# KiCad board 2000ATX.kicad_pcb (continued)
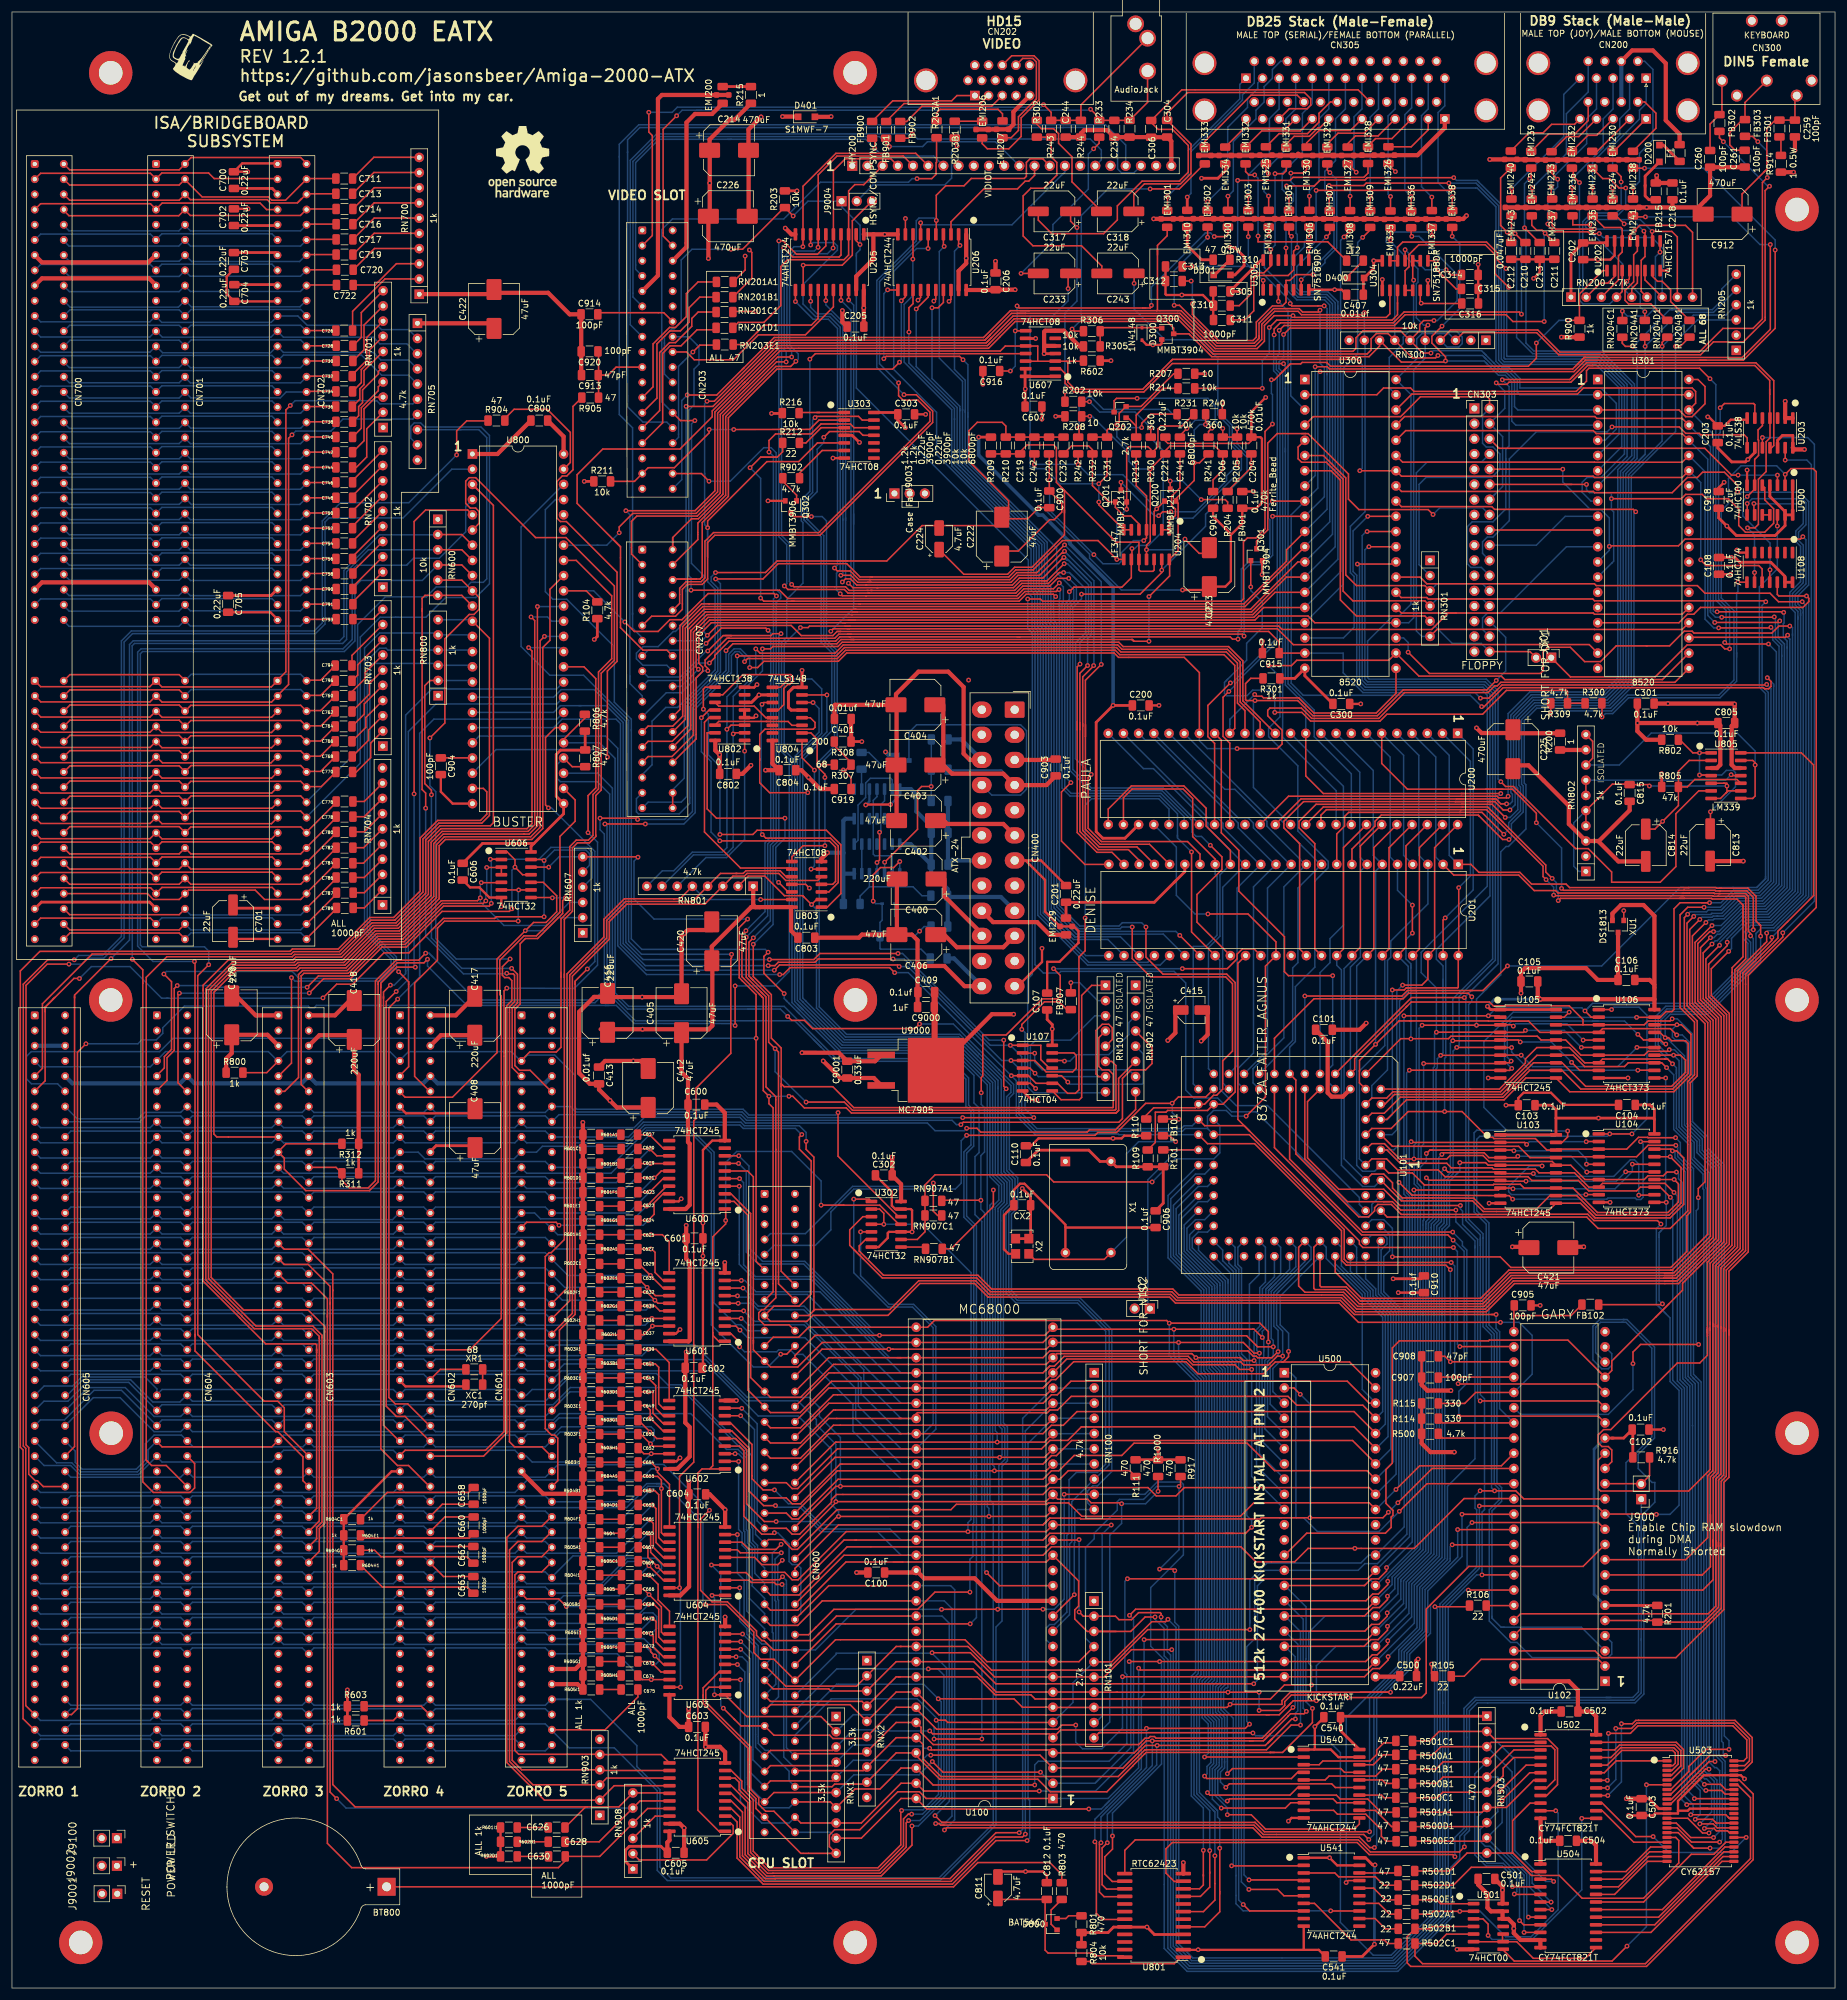
[diagram p0: board, top side]
## Routing (per net, layer and track width the routed paths; a pad name or vN(x,y) marks a point on that pad's centre or on a via; arc(x,y) is an arc through that point) (continued)
_OWN: length 274.6
  Top w0.25: CN603.7 42.6,152.96 R800.2 ; 91.8,168.94 91.8,169.74 ; 91.8,168.94 91.8,178.65 93.26,180.12 93.26,190.73 94.34,191.81 96.36,191.81 97.15,192.6 97.15,199.45 98.06,200.36 98.06,219.91 100.27,222.11 100.27,232.63 94.35,238.56 U800.41 ; 91.8,168.94 91.8,157.2 91.01,156.41 86.56,156.41 85.06,154.91 ; v1(138.12,146.28) 138.12,138.99 148.21,128.89 U302.12
  Bottom w0.25: 85.06,154.91 83.5,156.47 66.3,156.47 64.74,154.91 63.18,156.47 45.98,156.47 44.42,154.91 42.86,156.47 25.66,156.47 23.12,153.93 4.76,153.93 3.78,154.91 ; CN601.7 86.17,155.89 90.74,155.89 94.1,152.54 94.1,147.2 94.46,146.84 122.25,146.84 123.2,145.89 137.74,145.89 138.12,146.26
_PACK: length 204.2
  Top w0.25: 140.98,228.59 139.8,228.59 ; 140.98,228.59 116.66,228.59 114.38,226.32 114.38,220.74 v1(114.76,220.37) ; 140.98,228.59 207.82,228.59 208.49,229.27 216.69,229.27 217.82,228.14 U300.24 ; RN300.5 236.27,277.42 v1(236.73,277.88) ; EMI335.1 v1(230.48,292.1)
  Bottom w0.25: v1(236.73,277.88) 236.01,277.88 234.79,279.1 234.79,284.77 235.07,285.05 235.07,287.25 230.48,291.84 v1(230.48,292.1) ; RN300.5 236.27,272.34 234.35,270.42 234.35,228.96 233.53,228.14 U300.24 ; CN207.20 111.89,217.51 v1(114.76,220.37)
_RAS0: length 117.6
  Top w0.25: 215.8,17.78 U541.4 215.86,18.07 v1(206.83,18.07)
  Bottom w0.25: v1(206.83,18.07) 205.99,18.9 205.99,104.9 205.12,105.78 205.12,120.11 204.49,120.73 204.49,123.78 U101.57
_RAS1: length 117.1
  Top w0.25: v1(206.8,16.48) 211.6,16.48 212.66,15.42 U541.6 215.8,15.24
  Bottom w0.25: 206.81,16.47 v1(206.8,16.48) 205.54,17.74 205.54,104.72 204.67,105.59 204.67,119.92 203.45,121.13 U101.56
_ROMEN: length 271
  Top w0.25: U102.21 260.14,108.26 246.99,108.26 246.87,108.15 231.96,108.15 230.77,106.96 230.77,87.69 229.72,86.64 229.72,80.98 230.89,79.81 230.89,78.99 230.59,78.7 230.59,76.97 229.62,76 216.47,76 212.8,72.34 ; U102.21 267.47,103.18 267.47,104.78 274.79,112.1 ; U102.21 265.22,103.18 ; v1(285.5,174.24) 283.21,171.96 283.21,165.49 286.21,162.49 286.21,124.67 279.3,117.75 279.3,116.61 274.79,112.1 ; 274.79,112.1 277.03,114.33 ; v1(291.24,248.06) 291.24,246.29 U900.9
  Bottom w0.25: 291.21,178.95 289.7,178.95 285.5,174.75 v1(285.5,174.24) ; 291.21,178.95 293.79,178.95 298.14,183.29 298.14,229.84 297.24,230.74 297.24,233.21 299.04,235.01 299.04,240.91 298.24,241.71 298.24,243.45 299.49,244.7 299.49,247.43 298.91,248.01 291.29,248.01 v1(291.24,248.06) ; 291.21,178.95 290.19,178.95
_RST: length 723.5
  Top w0.25: 192,61.87 v1(192.13,62) 192.13,62.57 191.97,62.73 188.36,62.73 187.19,61.56 185.08,61.56 184.51,62.13 RN101.2 179.12,62.13 v1(178.41,62.84) ; 174.33,270.56 175.31,270.56 176.07,269.8 176.07,268.18 177.55,266.7 189.23,266.7 193.98,271.45 212.62,271.45 212.65,271.42 ; 242.31,199.6 242.82,199.6 ; 242.31,199.6 v1(248.91,199.6) ; 242.31,199.6 219.25,199.6 216.31,202.54 U200.11 ; v1(242.82,165.51) 233.98,165.51 U101.16 ; v1(178.41,74.93) 178.33,74.85 U100.18 172.92,73.73 143.61,73.73 139.63,73.73 131.59,65.68 126.81,65.68 CN600.53 ; v1(245.77,69.04) U102.41
  Bottom w0.25: U200.11 216.31,214.33 212.9,217.74 212.9,256.7 ; 212.9,267.2 212.9,270.97 ; 212.9,267.2 212.9,267.36 ; 212.9,267.2 212.9,256.7 ; 212.9,270.97 212.6,271.27 v1(212.6,271.42) ; 212.9,270.97 212.9,271.23 ; v1(178.41,62.84) v1(178.41,74.93) ; v1(192.13,62) 192.13,61.44 193.18,60.38 193.18,56.19 193.71,55.66 193.71,6.82 196.84,3.69 231.33,3.69 239.65,12.01 239.65,63.8 244.88,69.04 v1(245.77,69.04) 245.77,69.93 245.79,69.94 245.79,79.53 246.2,79.94 246.2,98.45 245.49,99.15 245.49,124.08 ; 64.74,96.49 65.72,97.47 84.08,97.47 85.06,96.49 86.04,97.47 90.49,97.47 93.36,100.34 111.68,100.34 123.24,88.78 123.24,76.78 123.42,76.61 123.42,74.56 124.2,73.78 124.2,69.29 125.83,67.66 CN600.53 ; v1(242.82,165.51) 243.08,165.25 243.08,128.27 245.49,125.85 245.49,124.08 ; v1(242.82,165.51) 248.46,171.14 248.46,199.14 v1(248.91,199.6) ; v1(242.82,165.51) 242.93,165.4 ; CN604.53 19.52,101.2 12.4,101.2 12.4,101.1 9.36,98.05 5.34,98.05 3.78,96.49 ; 245.49,125.28 245.49,124.08 ; CN602.53 63.89,97.47 45.53,97.47 CN603.53 ; 212.9,256.7 212.9,257.3 ; 24.1,96.49 25.08,97.47 43.44,97.47 44.42,96.49
_RxD: length 94.4
  Top w0.25: U305.3 v1(211.73,281.84)
  Bottom w0.25: U200.41 223.93,202.91 217.72,209.11 217.72,213.55 213.35,217.92 213.35,280.23 v1(211.73,281.84)
_SEL0: length 263.4
  Top w0.25: 271.32,241 267.16,241 v1(267.06,240.9) ; 271.32,241 271.02,241 ; 271.32,241 278.61,241 279.74,242.12 299.02,242.12 v1(299.42,242.52) ; CN303.10 v1(259.28,253.8) ; U102.16 265.22,88.23 265.22,83.45 265.62,83.05 280.32,83.05 283.91,86.64 283.91,109.97 ; 283.91,109.97 283.91,110.94 ; 283.91,109.97 283.91,110.27 ; 283.91,110.94 283.91,111.29 ; 283.91,110.94 283.91,121.09 287.11,124.3 287.11,162.86 284.11,165.87 284.11,170.32 v1(287.02,173.23)
  Bottom w0.25: v1(287.02,173.23) 287.49,173.7 287.49,175.41 290.13,178.05 291.85,178.05 ; 299.04,229.39 299.04,229.72 ; 299.04,229.39 299.04,182.92 294.16,178.05 291.85,178.05 ; 299.04,229.39 299.04,230.21 298.14,231.11 298.14,232.84 299.94,234.64 299.94,242 v1(299.42,242.52) ; v1(259.28,253.8) 259.28,251.66 263.89,247.05 265.67,247.05 267.06,245.65 v1(267.06,240.9) 267.06,240.24 U301.13 ; 291.85,178.05 290.56,178.05
_SEL1: length 78.2
  Top w0.25: 259.54,251.26 v1(263.25,251.26) ; 259.54,251.26 260.76,251.26 ; 259.54,251.26 CN303.12 ; U900.5 293.05,250.7 293.05,248.67 294.53,247.19 294.53,244.75 293.05,243.27 289.82,243.27 288.7,244.39 288.7,247.14 286.97,248.87 283.31,248.87 282.59,249.59 279.83,249.59 279.11,248.87 v1(267.41,248.87)
  Bottom w0.25: 264.57,249.88 263.76,249.88 263.25,250.39 v1(263.25,251.26) ; 264.57,249.88 265.38,249.88 ; 264.57,249.88 267.32,249.88 267.41,249.78 v1(267.41,248.87) 267.41,247.04 267.79,246.66 267.79,238.43 267.49,238.13 ; 267.51,238.15 267.49,238.13 ; 267.49,238.13 U301.14
_SIDE: length 27.8
  Bottom w0.25: CN303.32 245.87,227.03 245.87,228.95 246.68,229.76 248.81,229.76 259.89,240.84 U301.12
_SLAVE1: length 145.5
  Top w0.25: 3.78,152.37 5.09,153.68 5.09,164.47 13.4,172.78 46.67,172.78 47.07,173.18 54.74,173.18 60.01,178.44 64.03,178.44 64.03,178.45 68.71,183.14 68.71,192.01 71.37,194.66 78.56,194.66 79.83,195.94 79.83,225.55 U800.12 76.73,228.65
  Bottom w0.25: 76.73,228.65 RN800.6 70.93,228.96
_SLAVE2: length 133.7
  Top w0.25: 24.1,152.37 25.48,153.75 25.48,155.65 26.68,156.85 26.68,168.17 25.5,169.34 25.48,169.32 ; 76.73,226.11 U800.13
  Bottom w0.25: 25.5,169.34 25.48,169.32 ; 76.73,226.11 RN800.5 70.93,226.42 61.46,226.42 58.95,223.91 58.95,176.36 63.38,171.93 63.38,170.51 62.49,169.62 ; v1(25.4,169.44) 25.83,169.87 46.87,169.87 48.03,168.71 61.58,168.71 62.49,169.62 ; 61.68,168.81 62.49,169.62
_SLAVE3: length 108.5
  Top w0.25: 76.73,223.57 U800.14 ; CN603.9 46.73,154.55 v1(46.73,168.84)
  Bottom w0.25: 46.71,168.86 47.31,168.26 61.76,168.26 62.43,168.92 ; 59.4,221.12 59.4,176.55 63.83,172.11 63.83,170.32 62.43,168.92 ; 59.4,221.12 59.4,221.2 ; 59.4,221.12 59.4,221.82 61.46,223.88 62.54,223.88 62.85,223.57 RN800.4 76.73,223.57 ; 62.43,168.92 61.87,168.36
_SLAVE4: length 90.9
  Top w0.25: 66.32,168.1 66.32,167.64 ; 66.32,167.64 66.32,153.95 64.74,152.37 ; 66.32,167.64 66.32,168.15 v1(64.64,169.82) ; 76.73,221.03 U800.15
  Bottom w0.25: 59.85,219.54 59.85,219.23 ; 59.85,219.23 59.85,176.73 64.28,172.3 64.28,170.19 v1(64.64,169.82) ; 59.85,219.23 59.85,221.33 59.86,221.34 70.93,221.34 RN800.3 76.73,221.03 ; 64.28,170.14 64.59,169.82
_SLAVE5: length 86
  Top w0.25: 85.06,152.37 83.63,153.8 83.63,163.79 83.67,163.79 84.51,164.63 84.51,169.41 v1(83.54,170.38) ; RN800.2 69.88,218.49 69.02,217.63 69.02,201.26 70.13,200.15 v1(70.13,199.39) ; 76.73,218.49 U800.16
  Bottom w0.25: RN800.2 76.73,218.49 ; v1(83.54,170.38) 75.21,170.38 70.13,175.46 v1(70.13,199.39)
_STEP: length 20.1
  Bottom w0.25: CN303.20 254.86,241.1 259.69,245.92 U301.10
_TxD: length 120.8
  Top w0.25: U304.9 U304.10 234.19,285.55 v1(234.34,285.39) ; v1(234.37,277.75) 233.98,277.36 213.66,277.36 v1(212.6,276.3)
  Bottom w0.25: v1(234.37,277.75) 234.34,277.77 v1(234.34,285.39) ; U200.40 221.39,200.08 212.45,209.02 212.45,270 211.84,270.61 211.84,271.74 212.6,272.5 v1(212.6,276.3)
_UDS: length 327.2
  Top w0.25: v1(154.86,48.33) 167.54,48.31 168.94,46.91 U100.7 174.07,46.89 RN101.8 203.15,46.89 v1(203.66,47.4) 212.34,47.4 212.34,48.03 213.73,49.43 214.53,49.43 ; v1(244.1,77.78) 265.22,77.78 U102.11 ; 214.53,49.43 220.57,49.43 ; 214.53,49.43 v1(230.48,49.43) 225.4,49.43 ; v1(150.42,29.06) 149.85,29.06 149.05,28.26 149.05,23.73 144.96,19.64 126.5,19.64 123.48,22.65 123.48,31.21 121.57,33.13 121.57,34.4 120.89,35.08 U605.8
  Bottom w0.25: 203.32,117.79 203.32,118.34 198.37,123.28 U101.53 ; 174.17,47.04 U100.7 ; 155.36,45.4 155.36,44.79 ; 155.36,44.79 155.36,47.83 v1(154.86,48.33) 152.44,50.76 137.87,50.76 CN600.72 ; 155.36,44.79 155.36,32.18 152.24,29.06 v1(150.42,29.06) ; v1(244.1,77.78) 243.29,76.97 243.29,70.17 237.16,64.04 237.16,59.27 233.66,55.78 233.66,53.22 230.48,50.03 v1(230.48,49.43) ; 203.32,118.31 203.32,104.96 204.19,104.08 204.19,47.93 v1(203.66,47.4)
_VC1: length 243.2
  Top w0.25: 123.88,168.43 123.49,168.83 ; 123.88,168.43 126.51,165.8 126.51,158.04 v1(127.59,156.97) 128.15,156.4 128.15,117.68 CN600.16 ; 123.88,168.43 123.21,169.1 123.21,174.75 v1(123.95,175.49) ; RN102.6 183.87,154.84 184.57,154.14 184.57,146.83 184.41,146.67 140.53,146.67 139.16,148.04 v1(132.77,148.04) ; 116.51,251.77 v1(116.54,251.79) 115.26,253.07 CN203.34
  Bottom w0.25: 127.76,229.01 127.76,231.49 128.54,232.27 128.54,232.96 127.99,233.51 ; 127.76,229.01 127.76,228.14 ; 127.76,229.01 127.76,229.26 ; 127.76,228.14 127.76,229.56 ; 127.76,228.14 127.76,191.94 126.8,190.98 126.8,178.33 v1(123.95,175.49) ; 127.99,233.51 127.82,233.68 ; 127.99,233.51 127.99,233.51 127.76,233.73 127.76,256.55 126.92,257.39 125.69,257.39 120.08,251.79 v1(116.54,251.79) ; v1(127.59,156.97) 127.59,153.12 v1(132.77,148.04)
_VC3: length 215.5
  Top w0.25: 128.6,150.65 128.6,157.08 126.96,158.72 126.96,165.99 123.94,169.01 v1(123.94,174.41) ; 128.6,150.65 128.6,151.11 129.11,150.61 137.24,150.61 140.74,147.12 168.15,147.12 ; 128.6,150.65 128.6,119.77 CN600.14 ; 168.15,147.12 168.5,147.12 ; 168.15,147.12 184.05,147.12 184.12,147.19 184.12,152.67 183.37,153.42 182.29,153.42 181.7,154.01 181.7,158.79 RN102.4 ; 120.26,226 118.91,226 v1(116.33,223.42) ; 120.26,226 126.9,226 127.22,226.31 v1(128.57,226.31) ; 120.26,226 119.19,226
  Bottom w0.25: v1(116.33,223.42) 116.09,223.42 112.55,219.88 ; 112.55,219.88 112.23,219.57 112.24,219.57 ; 112.55,219.88 111.73,219.07 106.36,219.07 CN207.17 ; 128.21,224.72 128.21,225.95 v1(128.57,226.31) ; 128.21,224.72 128.21,191.76 127.25,190.79 127.25,177.72 v1(123.94,174.41) ; 128.21,224.72 128.21,225.6
_VMA: length 318.2
  Top w0.25: U302.2 145.05,130.16 145.77,129.45 v1(145.77,127.62) U302.4 ; CN600.51 126.09,69.46 129.2,69.46 130.44,68.22 131.44,68.22 139.48,76.27 v1(159.83,76.27) 172.92,76.27 U100.19 ; 173.96,77.47 U100.19 ; U100.19 183.77,77.39 v1(183.79,77.37)
  Bottom w0.25: CN605.51 5.37,100.59 10.13,100.59 11.64,102.1 22.25,102.1 24.23,100.12 CN604.51 ; v1(145.77,127.62) 152.26,127.62 160.35,119.54 160.35,78.28 159.83,77.77 v1(159.83,76.27) ; 24.1,99.03 25.08,100.01 43.44,100.01 44.42,99.03 45.4,100.01 63.76,100.01 64.74,99.03 65.72,100.01 84.08,100.01 85.06,99.03 85.99,99.03 86.97,100.01 90.49,100.01 93.15,102.68 107.76,102.68 109.65,100.79 111.87,100.79 122.8,89.86 ; CN600.51 125.83,70.2 124.65,71.38 124.65,73.96 123.87,74.75 123.87,76.79 123.69,76.97 123.69,88.97 122.8,89.86 ; 122.8,89.86 122.67,89.99 ; v1(183.79,77.37) 182.27,75.84 182.27,45.47 181.15,44.35 RN101.9
_VPA: length 394.6
  Top w0.25: v1(185.52,80.92) 185.36,81.08 180.43,81.08 179.84,81.67 174.84,81.67 U100.21 172.85,81.28 v1(137.74,81.28) 137.74,81.11 CN600.48 ; v1(207.47,42.62) 207.42,42.66 181.76,42.66 RN101.10 ; R1000.2 v1(191.62,83.01) ; v1(237.34,54.13) 237.34,52.6 R105.1 237.85,52.1
  Bottom w0.25: 137.74,81.27 v1(137.74,81.28) 137.74,90.85 134.49,94.11 134.49,95.01 131.38,98.12 122.87,98.12 115.97,105.02 91.05,105.02 90.14,104.11 89.16,105.09 70.8,105.09 69.82,104.11 68.84,105.09 50.48,105.09 49.5,104.11 48.52,105.09 30.16,105.09 29.18,104.11 28.2,105.09 9.84,105.09 8.86,104.11 ; RN101.10 183.53,44.44 183.53,75.65 185.52,77.64 v1(185.52,80.92) 189.53,80.92 v1(191.62,83.01) ; 209.35,42.16 219.26,42.16 222.1,39.33 222.1,10.97 227.58,5.49 230.58,5.49 237.85,12.75 237.85,53.62 v1(237.34,54.13) ; 209.35,42.16 208.53,42.16 ; 209.35,42.16 207.92,42.16 v1(207.47,42.62)
_VSYNC: length 478.3
  Top w0.25: v1(114.17,261.92) 111.77,261.92 CN203.26 ; U300.19 C915.1 211.86,224.93 210.11,226.68 138.54,226.68 ; v1(116.26,226.03) 117.91,227.69 130.27,227.69 131.97,226 137.25,226 137.94,226.68 138.54,226.68 ; 154.58,308.98 R203A1.2 154.58,305.09 154.5,305.01 154.5,303.07 153.78,302.35 v1(151.32,302.35) ; v1(245.52,215.54) 246.92,215.54 249.11,217.74 293.28,217.74 v1(293.37,217.83) ; U101.79 229.93,128.82 263.29,128.82 265.18,126.94 277.25,126.94 280.16,129.84 280.16,151.46 281.3,152.6 281.3,161.42 278.89,163.83 278.89,179.32 280.16,180.59 v1(282.91,180.59) ; 138.54,226.68 138.06,226.68
  Bottom w0.25: v1(114.17,261.92) 113.61,261.36 113.6,238.06 115.72,235.94 115.72,226.57 v1(116.26,226.03) 115.35,225.13 CN207.14 ; U300.19 222.56,223.06 222.56,219.78 225.87,216.47 244.59,216.47 v1(245.52,215.54) ; CN203.26 108.64,265.05 108.64,293.83 110.42,295.62 129.04,295.62 135.17,301.75 149.89,301.75 150.49,302.35 v1(151.32,302.35) ; v1(282.91,180.59) 285.62,180.59 288.02,183 292.11,183 294.09,184.97 294.09,217.11 v1(293.37,217.83)
_WE: length 166.8
  Top w0.25: v1(223.06,17.63) 223.39,17.96 U541.17 ; 230.36,131.4 229.33,131.4 ; 229.33,131.4 223.28,131.4 216.15,138.52 U101.21 ; 229.33,131.4 230.79,131.4 232.19,130 v1(241.4,130)
  Bottom w0.25: v1(223.06,17.63) 223.06,45.16 231.86,53.96 231.86,56.53 235.36,60.02 235.36,66.94 239.99,71.58 239.99,71.76 240,83.84 244.59,88.44 244.59,123.71 ; 244.59,123.71 244.59,124.85 241.4,128.04 v1(241.4,130) ; 244.59,123.71 244.59,124.01
_XCLKEN: length 240.6
  Top w0.25: v1(175.06,233.68) 174.9,233.68 174.59,233.36 169.37,233.36 168.2,232.19 129.71,232.19 128.32,233.58 v1(113.54,233.58) ; R109.1 191.16,141.3 191.16,146.35 192.93,146.35 193.22,146.64 199.88,146.64 U101.36 202.45,147.68 204.51,149.74 204.51,168.01 203.1,169.42 192.44,169.42 189.59,172.27 v1(189.59,177.29)
  Bottom w0.25: v1(175.06,233.68) 175.22,233.51 175.22,232.16 175.12,232.06 175.12,230.93 ; 175.12,230.93 175.12,180.87 178.53,177.46 185.08,177.46 185.64,178.02 188.87,178.02 v1(189.59,177.29) ; 175.12,230.93 175.12,231.14 ; 114.57,274.54 114.86,274.24 114.86,271.35 114.03,270.52 114.03,264.53 113.16,263.66 113.15,235.99 113.54,235.6 v1(113.54,233.58) ; 114.57,274.54 113.18,275.93 CN203.16 ; 114.57,274.54 114.48,274.63
A1: length 172.5
  Top w0.25: v1(207.26,103.37) 205.24,103.37 204.45,104.16 197.41,104.16 196.46,105.11 176.36,105.11 U100.29 172.63,101.38 137.02,101.38 131.8,96.16 126.81,96.16 CN600.29 123.05,99.92 123.05,118.27 ; 123.05,118.27 123.05,129.13 120.74,131.45 U600.2 ; 123.05,118.27 123.05,118.46
  Bottom w0.25: U100.29 174.22,102.79 ; 212.8,79.96 207.26,85.5 v1(207.26,103.37) 206.89,103.74 206.89,117.61 208.53,119.25 U101.60 208.53,119.79
A2: length 273
  Top w0.25: v1(201.93,23.37) 201.93,16.11 ; 201.93,16.11 201.93,15.74 ; 201.93,16.11 201.93,12.74 199.42,10.23 U801.5 ; 195.35,10.19 196.38,10.19 ; 119.18,132.72 120.2,132.72 123.5,129.42 123.5,102.01 CN600.27 126.81,98.7 131.84,98.7 137.34,104.21 172.92,104.21 U100.30 174.72,106.01 197.27,106.01 v1(197.94,105.33) 205.36,105.33 205.84,104.85 v1(207.67,104.85)
  Bottom w0.25: U101.61 209.57,123.78 209.57,117.98 208.62,117.02 208.62,110.58 207.67,109.63 v1(207.67,104.85) 208.07,104.45 208.07,87.23 212.8,82.5 ; 200.17,31.01 201.57,29.62 201.57,28.56 201.93,28.19 v1(201.93,23.37) ; 200.17,31.01 201.44,29.74 ; 200.17,31.01 198.53,32.66 198.53,51.47 199.24,52.19 199.24,101.9 198.37,102.77 198.37,104.91 v1(197.94,105.33) ; U100.30 174.07,105.33
A3: length 272.3
  Top w0.25: v1(201.12,22.1) 201.12,14.69 199.2,12.77 U801.7 ; 147.3,106.75 172.92,106.75 U100.31 v1(195.05,107.87) 205.87,107.87 207.65,106.1 v1(208.56,106.1) ; 147.3,106.75 v1(146.6,106.75) 135.44,106.75 CN600.26 ; 147.3,106.75 147.15,106.75 ; 196.38,12.73 195.35,12.73 ; v1(121.65,135.26) U600.5
  Bottom w0.25: v1(201.12,22.1) 201.12,29.43 ; 201.12,29.43 200.87,29.68 ; 201.12,29.43 200.87,29.68 ; 200.87,29.68 198.08,32.47 198.08,51.66 198.79,52.38 198.79,101.71 197.87,102.64 197.87,102.64 195.05,105.46 v1(195.05,107.87) ; 212.8,85.04 208.56,89.28 v1(208.56,106.1) 208.12,106.53 208.12,109.44 209.07,110.39 209.07,116.84 211.07,118.84 U101.62 ; v1(121.65,135.26) 122.32,134.58 122.32,120.86 124.29,118.89 133.82,118.89 145.96,106.75 v1(146.6,106.75) ; U100.31 174.04,107.85
A4: length 272.9
  Top w0.25: 200.25,23.01 v1(200.25,22.96) 200.25,19.35 ; 207.42,110.08 207.62,110.08 ; 207.42,110.08 v1(194.26,110.08) 174.37,110.08 U100.32 172.69,109.07 v1(145.04,109.07) 134.29,109.07 130.91,105.69 CN600.24 ; 207.42,110.08 207.67,110.08 v1(209.04,108.71) ; 200.25,19.35 200.25,19.14 ; 200.25,19.35 200.25,16.86 198.7,15.31 U801.9 ; 195.35,15.27 196.38,15.27 ; U600.7 v1(121.48,137.8)
  Bottom w0.25: v1(200.25,22.96) 200.25,29.66 197.63,32.29 197.63,51.84 198.34,52.56 198.34,101.52 197.42,102.45 197.42,102.46 194.26,105.61 194.26,109.98 ; v1(145.04,109.07) 144.28,109.07 132.36,120.98 124.77,120.98 122.77,122.98 122.77,136.5 v1(121.48,137.8) ; U101.63 212.11,123.78 212.11,119.24 210.47,117.6 ; 209.28,107.2 209.28,106.44 ; 209.28,106.44 209.28,108.47 v1(209.04,108.71) 209.04,109.73 209.63,110.31 209.63,116.76 210.47,117.6 ; 209.28,106.44 209.28,105.35 209.01,105.07 209.01,91.37 212.8,87.58 ; U100.32 174.4,110.41 ; 210.47,117.6 209.78,116.92
A5: length 280.3
  Top w0.25: CN600.21 127.28,108.75 131.53,108.75 133.2,110.41 U100.33 153.08,110.41 154.21,111.54 193.06,111.54 v1(193.5,111.1) 208.64,111.1 210.06,109.68 v1(210.06,107.95) ; 199.19,18.89 v1(199.19,23.01) ; 199.19,18.89 199.19,18.71 ; 199.19,18.89 199.19,17.22 198.55,16.58 U801.10 ; v1(121.51,139.06) 121.51,139.07 U600.8 ; 195.35,16.54 197.01,16.54
  Bottom w0.25: 121.51,139.07 v1(121.51,139.06) 123.22,137.35 123.22,123.7 125.49,121.43 132.55,121.43 143.57,110.41 U100.33 ; 212.8,90.12 209.46,93.46 209.46,104.86 210.06,105.46 v1(210.06,107.95) 210.06,110.03 210.08,110.05 210.08,116.58 ; 210.08,116.58 210.66,117.15 ; 210.08,116.58 211.39,117.89 ; 210.66,117.15 210.23,116.73 ; 210.66,117.15 213.61,120.11 U101.64 ; 193.5,111.05 193.5,105.66 197.89,101.27 197.89,52.81 197.18,52.09 197.18,32.1 199.19,30.09 v1(199.19,23.01)
A6: length 161.7
  Top w0.25: 123.95,108.22 123.95,135.57 122.99,136.53 U600.6 ; 123.95,108.22 123.95,106.64 CN600.23 126.81,103.78 131.38,103.78 135.48,107.87 172.38,107.87 173.5,109 206.41,109 208.26,107.15 v1(210.88,107.15) ; 123.95,108.22 123.95,107.64
  Bottom w0.25: U101.65 214.65,123.78 214.65,120.51 210.53,116.39 210.53,108.55 210.88,108.21 v1(210.88,107.15) 210.88,105.64 209.91,104.67 209.91,95.48 U500.5
A7: length 167.7
  Top w0.25: CN600.28 136.57,105.33 148.64,105.33 ; 148.64,105.33 172.38,105.33 173.5,106.46 206.65,106.46 207.53,105.58 208.02,105.58 208.28,105.32 210.65,105.32 v1(211.68,106.35) ; 148.64,105.33 147.93,105.33 ; v1(121.59,133.99) U600.4
  Bottom w0.25: U500.4 210.36,97.57 210.36,104.48 211.68,105.81 v1(211.68,106.35) 211.68,109.89 210.98,110.6 210.98,116.2 216.15,121.38 U101.66 ; U100.35 146.74,105.33 133.63,118.44 124.1,118.44 121.59,120.95 v1(121.59,133.99)
A8: length 462.7
  Top w0.25: v1(121.94,118.24) U601.9 ; 172.97,103.39 172.38,102.79 136.57,102.79 CN600.30 ; 172.97,103.39 173.5,103.92 ; 172.97,103.39 173.3,103.72 ; U301.38 281.49,264.83 281.49,266.78 280.91,267.37 262.75,267.37 261.72,266.34 234.04,266.34 U300.38 ; v1(212.45,105.59) 211.56,105.59 210.09,104.13 205.93,104.13 205.41,104.65 199.8,104.65 199.76,104.61 197.59,104.61 196.64,105.56 175.92,105.56 174.28,103.92 173.5,103.92 ; 173.5,103.92 173.3,103.72 ; 276.16,118.61 277.89,118.61 ; 276.16,118.61 250.83,118.61 246.11,113.9 225.01,113.9 222.65,116.26 216.18,116.26 215.12,117.32 215.12,123.78 U101.67 ; 276.16,118.61 278.23,118.61 284.86,125.24 284.86,161.93 281.85,164.94 281.85,174.54 283.85,176.53 v1(284.48,176.53) ; 173.3,103.72 173.53,103.94 ; v1(285.09,229.97) 296.11,229.97
  Bottom w0.25: v1(285.09,229.97) 284.53,229.97 284.42,230.08 284.42,259.65 U301.38 ; 296.79,223.91 296.79,224.13 ; 296.79,223.91 296.79,225.07 296.15,225.71 296.15,227.97 296.28,228.1 296.28,229.81 v1(296.21,229.87) ; 296.79,223.91 296.79,183.85 293.23,180.3 290.53,180.3 ; 211.58,116.17 211.84,116.43 ; 211.84,116.43 211.43,116.02 211.43,110.78 212.45,109.77 212.45,105.16 210.81,103.51 210.81,99.66 U500.3 ; 211.84,116.43 217.19,121.78 217.19,123.78 U101.67 ; v1(121.94,118.24) 122.51,118.24 124.39,116.35 135.08,116.35 148.64,102.79 U100.36 ; 290.53,180.3 289.14,180.3 285.37,176.53 v1(284.48,176.53) ; 290.53,180.3 289.57,180.3
A9: length 453.4
  Top w0.25: v1(122.22,116.97) U601.8 ; v1(283.21,178.05) 280.95,175.8 280.95,164.53 283.96,161.52 283.96,125.62 277.86,119.51 276.27,119.51 ; 225.71,114.8 225.44,114.8 223.07,117.16 218.88,117.16 218.69,117.35 U101.68 ; 225.71,114.8 245.74,114.8 250.45,119.51 276.27,119.51 ; 225.71,114.8 226.01,114.8 ; 276.27,119.51 277.52,119.51 ; v1(213.43,106.38) 213.43,105.5 212.54,104.61 212.33,104.61 ; 212.33,104.61 211.21,104.61 209.25,102.65 198.28,102.65 196.27,104.66 177.51,104.66 174.52,101.67 173.79,101.67 172.38,100.25 ; 212.33,104.61 223.64,104.61 U500.41 ; v1(285.85,229.06) 294.59,229.06 v1(294.64,229.11) ; 172.38,100.25 136.55,100.25 130.91,94.62 CN600.32 ; 172.38,100.25 173.21,101.09 ; U301.37 279.24,262.29 264.97,262.29 264.66,262.59 232.82,262.59 U300.37
  Bottom w0.25: 295.89,222.53 295.89,184.23 292.86,181.2 288.76,181.2 286.23,178.66 284.6,178.66 284.42,178.48 283.64,178.48 v1(283.21,178.05) ; 295.89,222.53 295.89,222.76 ; 295.89,222.53 295.89,224.4 294.83,225.46 294.83,228.92 v1(294.64,229.11) ; U100.37 148.64,100.25 132.99,115.9 123.29,115.9 v1(122.22,116.97) 122.29,116.9 ; 283.97,230.23 283.97,229.89 284.81,229.06 v1(285.85,229.06) ; 283.97,230.23 283.97,230.02 ; 283.97,230.23 283.97,257.56 U301.37 ; 213.44,106.37 213.44,109.41 212.03,110.82 212.03,115.61 U101.68
A10: length 465
  Top w0.25: v1(284.68,228.19) 295.3,228.19 v1(295.55,228.45) ; U301.36 279.24,259.75 264.88,259.75 264.38,260.24 233.01,260.24 U300.36 ; v1(121.3,115.66) 119.22,115.66 U601.7 ; 228.04,97.74 226.91,97.74 223.24,101.4 177.05,101.4 174.77,99.13 173.79,99.13 172.38,97.71 136.57,97.71 CN600.34 ; 225.61,114.35 245.93,114.35 250.64,119.06 276.32,119.06 ; 225.61,114.35 226.26,114.35 ; 225.61,114.35 225.25,114.35 222.89,116.71 217.86,116.71 217.66,116.91 217.66,123.78 U101.69 ; 276.32,119.06 278.05,119.06 284.41,125.43 284.41,161.7 281.4,164.72 281.4,174.72 v1(284.23,177.55) ; 276.32,119.06 277.71,119.06
  Bottom w0.25: 121.27,115.68 v1(121.3,115.66) 121.5,115.45 123.25,115.45 124.76,113.94 132.44,113.94 147.52,98.86 147.52,98.84 148.64,97.71 U100.38 ; 228.04,97.74 225.76,100.03 225.76,115.87 219.73,121.9 219.73,123.78 U101.69 218.69,125.2 ; 296.34,224.58 295.76,225.16 ; 296.34,224.58 295.28,225.64 295.28,228.17 v1(295.55,228.45) ; 296.34,224.58 296.34,184.04 293.05,180.75 288.95,180.75 285.75,177.55 v1(284.23,177.55) ; 295.76,228.24 295.61,228.4 ; v1(284.68,228.19) 283.52,229.36 283.52,255.47 U301.36
A11: length 450.9
  Top w0.25: 148.64,95.17 150.42,95.17 151.38,96.14 173.1,96.14 173.55,96.59 174.82,96.59 177.1,98.86 213.34,98.86 214.82,97.38 225.86,97.38 228.04,95.2 ; 148.64,95.17 148.27,95.17 ; 148.64,95.17 136.57,95.17 CN600.36 ; 277.29,119.96 250.27,119.96 245.55,115.25 225.79,115.25 ; 277.29,119.96 277.54,119.96 283.51,125.93 283.51,161.33 280.5,164.34 280.5,176.87 v1(282.19,178.56) ; 277.29,119.96 277.67,119.96 ; 225.79,115.25 225.62,115.25 221.23,119.64 U101.70 ; 225.79,115.25 226.01,115.25 ; U300.35 232.5,254.97 264.57,254.97 264.59,254.96 279.24,254.96 U301.35 ; v1(285.34,227.28) 293.98,227.28 v1(294.08,227.38) ; U601.6 119.19,114.42 v1(121.41,114.42)
  Bottom w0.25: U101.70 221.23,121.03 226.21,116.06 226.21,115.04 229.17,112.08 229.17,96.32 228.04,95.2 ; 294.13,227.38 294.38,227.13 294.38,225.27 295.44,224.21 295.44,184.41 292.67,181.65 288.58,181.65 286.05,179.12 285.19,179.12 ; 130.41,113.36 130.07,113.36 ; 130.41,113.36 124.71,113.36 123.65,114.42 v1(121.41,114.42) ; 130.41,113.36 132.38,113.36 142.41,103.33 142.41,101.41 148.64,95.17 U100.39 ; U301.35 283.07,253.38 283.07,228.73 284.52,227.28 v1(285.34,227.28) ; 285.19,179.12 284.42,179.12 284.23,178.93 282.56,178.93 v1(282.19,178.56) ; 285.19,179.12 284.99,179.12
A12: length 232.9
  Top w0.25: v1(122.33,113.16) 119.18,113.16 ; v1(140.74,131.83) 143.3,131.83 U302.1 ; 148.64,92.63 172.38,92.63 173.77,94.03 175.77,94.03 178.06,96.32 224.38,96.32 228.04,92.66 ; 148.64,92.63 148.28,92.63 ; 148.64,92.63 136.57,92.63 CN600.38
  Bottom w0.25: v1(140.74,131.83) 140.74,123.34 ; 140.74,123.34 140.74,123.14 ; 140.74,123.34 140.74,119.53 146.47,113.79 150.56,113.79 154.01,110.34 154.01,94.29 152.36,92.63 U100.40 ; v1(122.33,113.16) 124.08,111.4 132.52,111.4 141.96,101.96 141.96,99.32 148.64,92.63 150.6,92.63 ; U101.71 222.27,123.78 222.27,120.63 226.66,116.25 226.66,115.23 229.62,112.27 229.62,94.23 228.04,92.66
